# KiCad board AnalogFNN.kicad_pcb (continued)
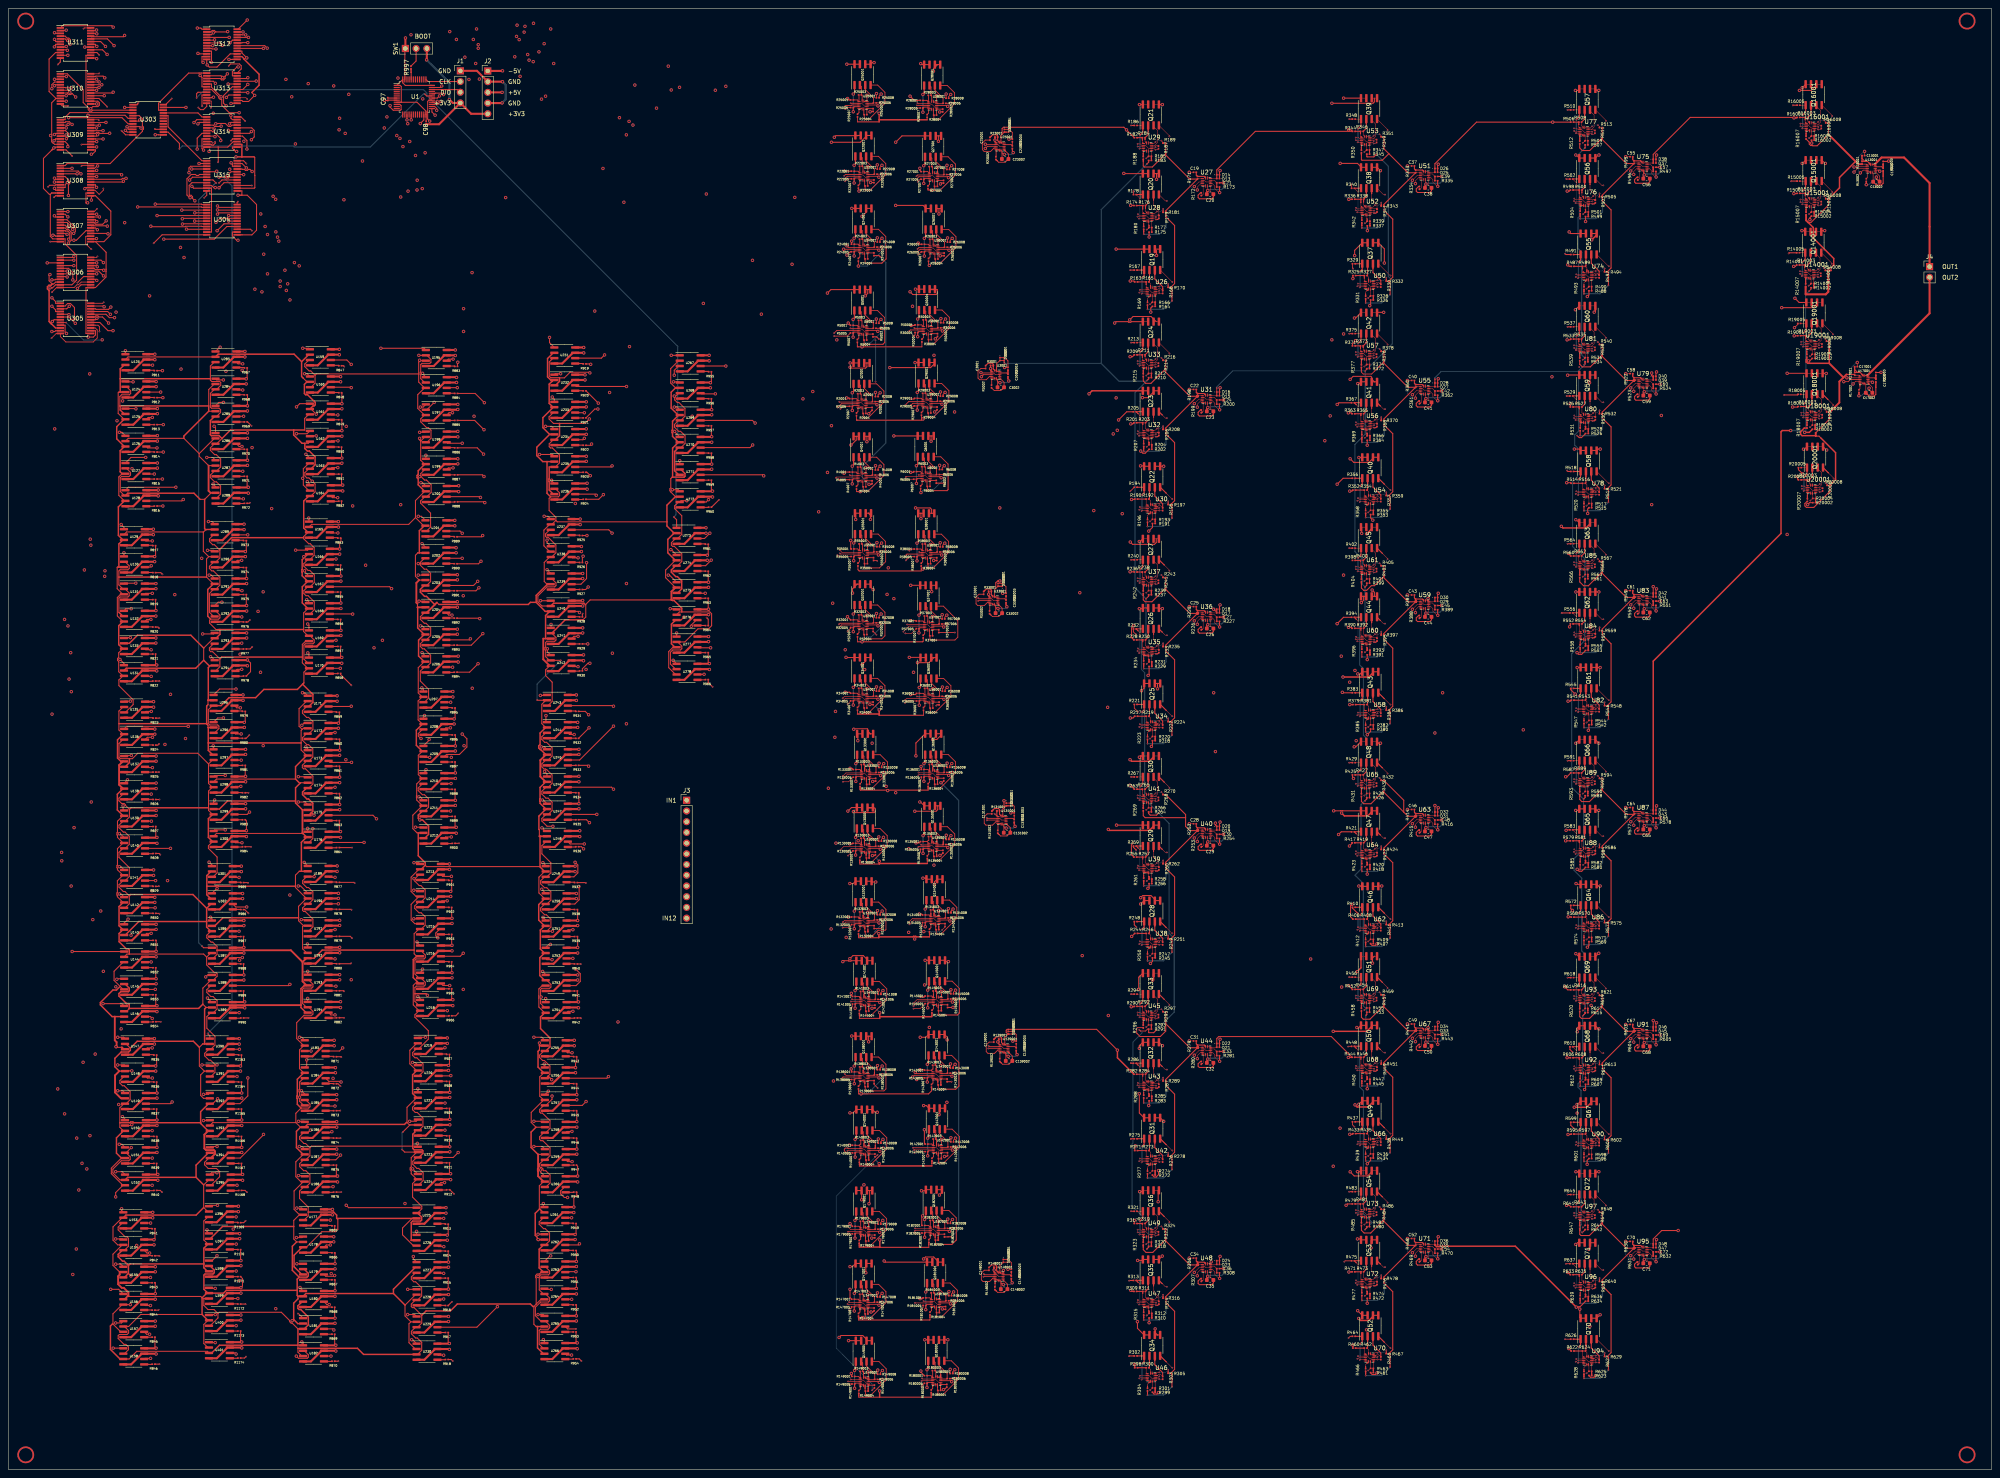
[diagram p0: board, top side]
## Routing (per net, layer and track width the routed paths; a pad name or vN(x,y) marks a point on that pad's centre or on a via; arc(x,y) is an arc through that point) (continued)
  Top w0.1: v2(320.26,280.35) 320.41,280.5 U50.4
  Top w0.25: 320.85,285.31 320.85,284.64 v2(320.36,284.15) ; R329.2 320.83,285.95
  Bottom w0.25: v2(320.26,280.35) 320.36,280.45 v2(320.36,284.15)
Net-(Q37B-G2): length 17.6
  Top w0.1: U50.7 322.84,279.87 R328.2 322.34,277.85 v2(322.26,277.85) ; v2(327.56,283.15) 327.49,283.15 Q37.4
  Top w0.25: 322.68,278.2 R328.2
  In1.Cu w0.1: v2(322.26,277.85) 327.46,277.85 327.96,278.35 327.96,282.75 v2(327.56,283.15)
Net-(Q37B-S2): length 9.1
  Top w0.1: U50.11 324.03,281.3 324.28,281.55 324.78,281.55 R330.2
  Top w0.25: 325.02,281.31 R330.2 325.26,281.99 323.39,283.86 323.39,284.92 ; 323.39,284.92 Q37.3 323.39,284.92
Net-(Q38A-G1): length 6.7
  Top w0.1: R338.2 321.18,299.88 U52.14
  Top w0.25: 321.82,302.88 321.82,301.89 R338.2 321.18,300.6 ; 321.82,302.88 321.82,302.88 Q38.2 ; 321.82,302.88 321.82,303.87 ; 321.41,299.65 U52.14
Net-(Q38A-S1): length 8.8
  Top w0.1: R340.2 319.86,302.97 v2(319.86,302.05) ; v2(319.66,298.15) U52.4
  Top w0.25: Q38.1 319,303.87
  Bottom w0.1: v2(319.86,302.05) 319.86,298.35 v2(319.66,298.15)
Net-(Q38B-G2): length 16.8
  Top w0.1: 321.96,296.13 321.96,297.37 ; v2(326.26,302.35) 325.89,302.35 Q38.4 ; v2(321.46,295.55) 321.54,295.55 R339.2
  Top w0.25: 321.96,296.64 322.04,296.56 R339.2 321.87,295.88 ; 321.96,297.37 U52.7
  In1.Cu w0.1: v2(321.46,295.55) 324.86,295.55 326.76,297.45 326.76,301.85 v2(326.26,302.35)
Net-(Q38B-S2): length 8.5
  Top w0.1: 324.36,298.93 324.36,299.99 323.09,301.25 Q38.3 ; 322.76,299 324.23,299
  Top w0.25: 323.09,302.56 Q38.3 ; 324.36,298.93 324.29,299 324.23,299 ; 322.76,299 U52.11
  Top w0.35: 324.36,298.93 R341.2
Net-(Q39A-G1): length 5.7
  Top w0.1: U53.14 321.08,316.48 R346.2
  Top w0.25: 321.82,319.18 321.82,319.18 Q39.2 ; 321.82,319.18 321.82,318.09 R346.2 ; 321.82,319.18 321.82,320.27
Net-(Q39A-S1): length 7.3
  Top w0.1: v2(319.76,314.75) U53.4 ; R348.2 320.53,320.25
  Top w0.25: v2(319.86,317.95) 320.55,318.64 320.55,319.46
  Bottom w0.25: v2(319.76,314.75) 319.86,314.85 v2(319.86,317.95)
Net-(Q39B-G2): length 15.3
  Top w0.1: v2(326.86,317.65) 326.86,317.78 Q39.4 ; v2(321.36,312.45) 321.44,312.45 R347.2 321.94,314.12 U53.7
  Top w0.25: 321.78,312.8 R347.2
  In1.Cu w0.1: v2(321.36,312.45) 324.56,312.45 326.86,314.75 v2(326.86,317.65)
Net-(Q39B-S2): length 6.9
  Top w0.1: 323.39,315.55 323.88,315.55 324.06,315.37 R349.2 ; 323.39,315.55 U53.11 ; 323.39,315.55 324.06,316.21 324.06,319.04 323.09,320
Net-(Q40A-G1): length 5.7
  Top w0.1: R354.2 322.36,231.9 U54.14
  Top w0.25: 322.12,235.11 322.12,233.76 ; 322.12,233.76 322.12,232.43 R354.2 ; 322.12,233.76 322.12,233.77 Q40.2
Net-(Q40A-S1): length 8.3
  Top w0.1: U54.4 320.41,229.63 v2(320.26,229.48)
  Top w0.25: R356.2 320.83,235.08 ; v2(320.36,233.28) 320.85,233.78 320.85,234.44
  Bottom w0.25: v2(320.36,233.28) 320.36,229.58 v2(320.26,229.48)
Net-(Q40B-G2): length 19.4
  Top w0.1: v2(322.26,226.98) 322.34,226.98 R355.2 322.84,229 322.8,229.04 ; 324.66,235.11 327.49,232.28 v2(327.56,232.28)
  Top w0.25: 322.8,229.04 U54.7 ; 326.07,233.69 Q40.4
  In1.Cu w0.1: v2(322.26,226.98) 327.46,226.98 327.96,227.48 327.96,231.88 v2(327.56,232.28)
Net-(Q40B-S2): length 9.3
  Top w0.1: R357.2 324.78,230.68 324.28,230.68 324.03,230.43 U54.11
  Top w0.25: 323.39,234.05 Q40.3 323.39,234.05 ; 323.39,234.05 323.39,232.99 325.26,231.12 R357.2 ; U54.11 323.98,230.43
Net-(Q41A-G1): length 5.8
  Top w0.1: R365.2 321.18,249.01 U56.14
  Top w0.25: 321.82,252.01 321.82,252.02 Q41.2 ; 321.82,252.01 321.82,253 ; 321.82,252.01 321.82,251.03 R365.2
Net-(Q41A-S1): length 9.5
  Top w0.1: R367.2 319.86,252.1 v2(319.86,251.18) ; v2(319.66,247.28) U56.4
  Top w0.25: 320.55,253 319,253 ; 319.42,252.54 R367.2
  Bottom w0.1: v2(319.66,247.28) 319.86,247.48 v2(319.86,251.18)
Net-(Q41B-G2): length 17.7
  Top w0.1: v2(321.46,244.68) 321.54,244.68 R366.2 ; v2(326.26,251.48) 325.89,251.48 324.36,253 ; 321.96,246.5 321.96,245.26
  Top w0.25: 321.96,246.5 U56.7 ; 325.12,252.24 Q41.4
  Top w0.35: 321.96,245.77 322.04,245.69 R366.2
  In1.Cu w0.1: v2(326.26,251.48) 326.76,250.98 326.76,246.58 324.86,244.68 v2(321.46,244.68)
Net-(Q41B-S2): length 8.6
  Top w0.1: 322.76,248.13 324.23,248.13 ; Q41.3 323.09,250.38 324.36,249.12 R368.2
  Top w0.25: Q41.3 323.09,251.69 323.09,251.69 ; 324.23,248.13 R368.2 ; 322.76,248.13 U56.11
Net-(Q42A-G1): length 6.3
  Top w0.1: U57.14 321.08,265.61 R373.2
  Top w0.25: Q42.2 321.82,268.31 321.82,268.31 ; 321.31,265.38 U57.14 ; 321.08,266.08 R373.2 321.82,267.22 321.82,268.31 ; 321.82,268.31 321.82,269.4
Net-(Q42A-S1): length 7.3
  Top w0.1: R375.2 320.53,269.38 ; v2(319.76,263.88) U57.4
  Top w0.25: 320.55,268.59 320.55,267.77 v2(319.86,267.08)
  Bottom w0.25: v2(319.76,263.88) 319.86,263.98 v2(319.86,267.08)
Net-(Q42B-G2): length 15.3
  Top w0.1: U57.7 321.94,263.25 R374.2 321.44,261.58 v2(321.36,261.58) ; v2(326.86,266.78) 326.86,266.91 Q42.4
  Top w0.25: 321.78,261.93 R374.2
  In1.Cu w0.1: v2(326.86,266.78) 326.86,263.88 324.56,261.58 v2(321.36,261.58)
Net-(Q42B-S2): length 6.9
  Top w0.1: 323.39,264.68 323.88,264.68 324.06,264.5 R376.2 ; 323.39,264.68 U57.11 ; 323.39,264.68 324.06,265.34 324.06,268.17 323.09,269.13
Net-(Q43A-G1): length 5.7
  Top w0.1: U58.14 322.36,181.03 R381.2
  Top w0.25: 322.12,182.9 322.12,182.9 Q43.2 ; 322.12,182.9 322.12,184.24 ; 322.12,182.9 322.12,181.56 R381.2
Net-(Q43A-S1): length 8.3
  Top w0.1: U58.4 320.41,178.76 v2(320.26,178.61)
  Top w0.25: R383.2 320.83,184.21 ; v2(320.36,182.41) 320.85,182.91 320.85,183.57
  Bottom w0.25: v2(320.36,182.41) 320.36,178.71 v2(320.26,178.61)
Net-(Q43B-G2): length 19.4
  Top w0.1: v2(322.26,176.11) 322.34,176.11 R382.2 322.84,178.13 322.8,178.17 ; 324.66,184.24 327.49,181.41 v2(327.56,181.41)
  Top w0.25: 326.07,182.82 Q43.4 ; 322.8,178.17 U58.7
  In1.Cu w0.1: v2(322.26,176.11) 327.46,176.11 327.96,176.61 327.96,181.01 v2(327.56,181.41)
Net-(Q43B-S2): length 9.3
  Top w0.1: R384.2 324.78,179.81 324.28,179.81 324.03,179.56 U58.11
  Top w0.25: 323.39,184.24 323.39,183.18 ; 323.39,183.18 Q43.3 ; 323.39,183.18 323.39,182.12 325.26,180.25 R384.2 ; U58.11 323.98,179.56
Net-(Q44A-G1): length 5.8
  Top w0.1: R392.2 321.18,198.14 U60.14
  Top w0.25: R392.2 321.82,200.16 321.82,201.15 ; 321.82,202.13 321.82,201.15 ; 321.82,201.15 321.82,201.15 Q44.2
Net-(Q44A-S1): length 9.5
  Top w0.1: R394.2 319.86,201.23 v2(319.86,200.31) ; v2(319.66,196.41) U60.4
  Top w0.25: 320.55,202.13 319,202.13 ; 319.42,201.67 R394.2
  Bottom w0.1: v2(319.66,196.41) 319.86,196.61 v2(319.86,200.31)
Net-(Q44B-G2): length 17.7
  Top w0.1: v2(326.26,200.61) 325.89,200.61 324.36,202.13 ; R393.2 321.54,193.81 v2(321.46,193.81) ; 321.96,194.39 321.96,195.63
  Top w0.25: 325.12,201.37 Q44.4 ; 321.96,195.63 U60.7
  Top w0.35: 321.96,194.9 322.04,194.82 R393.2
  In1.Cu w0.1: v2(326.26,200.61) 326.76,200.11 326.76,195.71 324.86,193.81 v2(321.46,193.81)
Net-(Q44B-S2): length 8.6
  Top w0.1: 322.76,197.26 324.23,197.26 ; R395.2 324.36,198.25 323.09,199.51 323.09,202.13
  Top w0.25: 322.76,197.26 U60.11 ; 323.09,200.82 Q44.3 ; 324.23,197.26 R395.2
Net-(Q45A-G1): length 5.7
  Top w0.1: U61.14 321.08,214.74 R400.2
  Top w0.25: 321.82,218.53 321.82,217.44 ; 321.82,217.44 321.82,217.45 Q45.2 ; 321.82,217.44 321.82,216.35 R400.2
Net-(Q45A-S1): length 7.3
  Top w0.1: R402.2 320.53,218.51 ; v2(319.76,213.01) U61.4
  Top w0.25: v2(319.86,216.21) 320.55,216.91 320.55,217.72
  Bottom w0.25: v2(319.86,216.21) 319.86,213.11 v2(319.76,213.01)
Net-(Q45B-G2): length 16.8
  Top w0.1: v2(321.36,210.71) 321.44,210.71 R401.2 321.94,212.38 321.9,212.42 ; 324.36,218.53 326.86,216.04 v2(326.86,215.91)
  Top w0.25: 325.61,217.29 Q45.4 ; 321.9,212.42 U61.7
  In1.Cu w0.1: v2(321.36,210.71) 324.56,210.71 326.86,213.01 v2(326.86,215.91)
Net-(Q45B-S2): length 6.9
  Top w0.1: U61.11 323.39,213.81 ; 323.39,213.81 324.06,214.47 324.06,217.3 323.09,218.26 ; 323.39,213.81 323.88,213.81 324.06,213.63 R403.2
Net-(Q46A-G1): length 5.7
  Top w0.1: R408.2 322.36,130.16 U62.14
  Top w0.25: R408.2 322.12,130.69 322.12,132.03 ; 322.12,132.03 322.12,132.03 Q46.2 ; 322.12,132.03 322.12,133.37
Net-(Q46A-S1): length 8.3
  Top w0.1: v2(320.26,127.74) 320.41,127.89 U62.4
  Top w0.25: R410.2 320.83,133.34 ; 320.85,132.7 320.85,132.03 v2(320.36,131.54)
  Bottom w0.25: v2(320.26,127.74) 320.36,127.84 v2(320.36,131.54)
Net-(Q46B-G2): length 19.4
  Top w0.1: v2(322.26,125.24) 322.34,125.24 R409.2 322.84,127.26 322.8,127.3 ; v2(327.56,130.54) 327.49,130.54 324.66,133.37
  Top w0.25: 322.8,127.3 U62.7 ; 326.07,131.95 Q46.4
  In1.Cu w0.1: v2(322.26,125.24) 327.46,125.24 327.96,125.74 327.96,130.14 v2(327.56,130.54)
Net-(Q46B-S2): length 9.3
  Top w0.1: R411.2 324.78,128.94 324.28,128.94 324.03,128.69 U62.11
  Top w0.25: 323.39,132.31 323.39,131.25 325.26,129.38 R411.2 ; 323.39,132.31 Q46.3 323.39,132.31 ; U62.11 323.98,128.69
Net-(Q47A-G1): length 5.8
  Top w0.1: R419.2 321.18,147.27 U64.14
  Top w0.25: 321.82,151.26 321.82,150.28 ; 321.82,150.28 321.82,149.28 R419.2 ; 321.82,150.28 321.82,150.28 Q47.2
Net-(Q47A-S1): length 9.5
  Top w0.1: v2(319.66,145.54) U64.4 ; R421.2 319.86,150.36 v2(319.86,149.44)
  Top w0.25: 320.55,151.26 319,151.26 ; 319.42,150.8 R421.2
  Bottom w0.1: v2(319.66,145.54) 319.86,145.74 v2(319.86,149.44)
Net-(Q47B-G2): length 17.7
  Top w0.1: 324.36,151.26 325.89,149.74 v2(326.26,149.74) ; 321.96,143.52 321.96,144.76 ; v2(321.46,142.94) 321.54,142.94 R420.2
  Top w0.25: 321.96,144.76 U64.7 ; 325.12,150.5 Q47.4
  Top w0.35: R420.2 322.04,143.95 321.96,144.03
  In1.Cu w0.1: v2(326.26,149.74) 326.76,149.24 326.76,144.84 324.86,142.94 v2(321.46,142.94)
Net-(Q47B-S2): length 8.6
  Top w0.1: 322.76,146.39 324.23,146.39 ; R422.2 324.36,147.38 323.09,148.64 Q47.3
  Top w0.25: 324.23,146.39 R422.2 ; 322.76,146.39 U64.11 ; 323.09,149.95 323.09,149.95 Q47.3
Net-(Q48A-G1): length 5.7
  Top w0.1: R427.2 321.08,163.87 U65.14
  Top w0.25: 321.82,167.66 321.82,166.57 ; 321.82,166.57 321.82,165.49 R427.2 ; 321.82,166.57 321.82,166.58 Q48.2
Net-(Q48A-S1): length 7.3
  Top w0.1: v2(319.76,162.14) U65.4 ; R429.2 320.53,167.64
  Top w0.25: v2(319.86,165.34) 320.55,166.03 320.55,166.85
  Bottom w0.25: v2(319.86,165.34) 319.86,162.24 v2(319.76,162.14)
Net-(Q48B-G2): length 16.8
  Top w0.1: 321.9,161.55 321.94,161.51 R428.2 321.44,159.84 v2(321.36,159.84) ; 324.36,167.66 326.86,165.17 v2(326.86,165.04)
  Top w0.25: 325.61,166.42 Q48.4 ; 321.9,161.55 U65.7
  In1.Cu w0.1: v2(326.86,165.04) 326.86,162.14 324.56,159.84 v2(321.36,159.84)
Net-(Q48B-S2): length 6.9
  Top w0.1: U65.11 323.39,162.94 ; 323.39,162.94 323.88,162.94 324.06,162.76 R430.2 ; 323.39,162.94 324.06,163.6 324.06,166.43 323.09,167.39
Net-(Q49A-G1): length 5.7
  Top w0.1: R435.2 322.36,79.29 U66.14
  Top w0.25: 322.12,82.5 322.12,81.15 ; 322.12,81.15 322.12,81.16 Q49.2 ; 322.12,81.15 322.12,79.81 R435.2
Net-(Q49A-S1): length 8.3
  Top w0.1: v2(320.26,76.87) 320.41,77.02 U66.4
  Top w0.25: v2(320.36,80.67) 320.85,81.17 320.85,81.83 ; R437.2 320.83,82.47
  Bottom w0.25: v2(320.26,76.87) 320.36,76.97 v2(320.36,80.67)
Net-(Q49B-G2): length 19.4
  Top w0.1: v2(322.26,74.37) 322.34,74.37 R436.2 322.84,76.39 322.8,76.43 ; 324.66,82.5 327.49,79.67 v2(327.56,79.67)
  Top w0.25: 322.8,76.43 U66.7 ; 326.07,81.08 Q49.4
  In1.Cu w0.1: v2(327.56,79.67) 327.96,79.27 327.96,74.87 327.46,74.37 v2(322.26,74.37)
Net-(Q49B-S2): length 9.3
  Top w0.1: R438.2 324.78,78.06 324.28,78.06 324.03,77.82 U66.11
  Top w0.25: 323.39,81.44 Q49.3 ; 323.39,81.44 323.39,80.38 325.26,78.51 R438.2 ; 323.39,81.44 323.39,82.5 ; U66.11 323.98,77.82
Net-(Q50A-G1): length 5.8
  Top w0.1: R446.2 321.18,96.4 U68.14
  Top w0.25: 321.82,99.4 321.82,99.41 Q50.2 ; 321.82,99.4 321.82,100.39 ; 321.82,99.4 321.82,98.42 R446.2
Net-(Q50A-S1): length 9.5
  Top w0.1: v2(319.66,94.67) U68.4 ; R448.2 319.86,99.49 v2(319.86,98.57)
  Top w0.25: 319.42,99.93 R448.2 ; 320.55,100.39 319,100.39
  Bottom w0.1: v2(319.86,98.57) 319.86,94.87 v2(319.66,94.67)
Net-(Q50B-G2): length 17.7
  Top w0.1: 321.96,93.89 321.96,92.65 ; R447.2 321.54,92.07 v2(321.46,92.07) ; v2(326.26,98.87) 325.89,98.87 324.36,100.39
  Top w0.25: 325.12,99.63 Q50.4 ; 321.96,93.89 U68.7
  Top w0.35: 321.96,93.16 322.04,93.08 R447.2
  In1.Cu w0.1: v2(321.46,92.07) 324.86,92.07 326.76,93.97 326.76,98.37 v2(326.26,98.87)
Net-(Q50B-S2): length 8.6
  Top w0.1: Q50.3 323.09,97.77 324.36,96.51 R449.2 ; 322.76,95.52 324.23,95.52
  Top w0.25: 324.23,95.52 R449.2 ; 322.76,95.52 U68.11 ; 323.09,99.08 Q50.3
Net-(Q51A-G1): length 5.7
  Top w0.1: U69.14 321.08,113 R454.2
  Top w0.25: 321.82,115.71 321.82,114.62 R454.2 ; 321.82,115.71 321.82,115.71 Q51.2 ; 321.82,115.71 321.82,116.79
Net-(Q51A-S1): length 7.3
  Top w0.1: v2(319.76,111.27) U69.4 ; R456.2 320.53,116.77
  Top w0.25: v2(319.86,114.47) 320.55,115.16 320.55,115.98
  Bottom w0.25: v2(319.76,111.27) 319.86,111.37 v2(319.86,114.47)
Net-(Q51B-G2): length 16.8
  Top w0.1: 324.36,116.79 326.86,114.3 v2(326.86,114.17) ; v2(321.36,108.97) 321.44,108.97 R455.2 321.94,110.64 321.9,110.68
  Top w0.25: 321.9,110.68 U69.7 ; 325.61,115.55 Q51.4
  In1.Cu w0.1: v2(321.36,108.97) 324.56,108.97 326.86,111.27 v2(326.86,114.17)
Net-(Q51B-S2): length 6.9
  Top w0.1: U69.11 323.39,112.07 ; R457.2 324.06,111.89 323.88,112.07 323.39,112.07 ; 323.39,112.07 324.06,112.73 324.06,115.56 323.09,116.52
Net-(Q52A-G1): length 5.7
  Top w0.1: R462.2 322.36,28.42 U70.14
  Top w0.25: 322.12,31.62 322.12,30.29 ; 322.12,30.29 322.12,30.29 Q52.2 ; 322.12,30.29 322.12,28.94 R462.2
Net-(Q52A-S1): length 8.3
  Top w0.1: v2(320.26,26) 320.41,26.15 U70.4
  Top w0.25: v2(320.36,29.8) 320.85,30.3 320.85,30.96 ; R464.2 320.83,31.6
  Bottom w0.25: v2(320.36,29.8) 320.36,26.1 v2(320.26,26)
Net-(Q52B-G2): length 19.4
  Top w0.1: v2(327.56,28.8) 327.49,28.8 324.66,31.62 ; v2(322.26,23.5) 322.34,23.5 R463.2 322.84,25.52 322.8,25.56
  Top w0.25: 326.07,30.21 Q52.4 ; 322.8,25.56 U70.7
  In1.Cu w0.1: v2(327.56,28.8) 327.96,28.4 327.96,24 327.46,23.5 v2(322.26,23.5)
Net-(Q52B-S2): length 9.3
  Top w0.1: U70.11 324.03,26.95 324.28,27.19 324.78,27.19 R465.2
  Top w0.25: 323.39,30.57 Q52.3 323.39,30.57 ; 323.39,30.57 323.39,29.51 325.26,27.64 R465.2 ; U70.11 323.98,26.95
Net-(Q53A-G1): length 5.8
  Top w0.1: U72.14 321.18,45.53 R473.2
  Top w0.25: Q53.2 321.82,48.54 321.82,48.54 ; 321.82,48.54 321.82,47.55 R473.2 ; 321.82,48.54 321.82,49.52
Net-(Q53A-S1): length 9.5
  Top w0.1: v2(319.66,43.8) U72.4 ; v2(319.86,47.7) 319.86,48.62 R475.2
  Top w0.25: 320.55,49.52 319,49.52 ; 319.42,49.06 R475.2
  Bottom w0.1: v2(319.66,43.8) 319.86,44 v2(319.86,47.7)
Net-(Q53B-G2): length 17.7
  Top w0.1: R474.2 321.54,41.2 v2(321.46,41.2) ; 321.96,43.02 321.96,41.78 ; v2(326.26,48) 325.89,48 324.36,49.52
  Top w0.25: 321.96,43.02 U72.7 ; 325.12,48.76 Q53.4
  Top w0.35: 321.96,42.29 322.04,42.21 R474.2
  In1.Cu w0.1: v2(326.26,48) 326.76,47.5 326.76,43.1 324.86,41.2 v2(321.46,41.2)
Net-(Q53B-S2): length 8.6
  Top w0.1: R476.2 324.36,45.64 323.09,46.9 Q53.3 ; 322.76,44.65 324.23,44.65
  Top w0.25: 323.09,48.21 323.09,48.21 Q53.3 ; 322.76,44.65 U72.11 ; 324.23,44.65 R476.2
Net-(Q54A-G1): length 5.7
  Top w0.1: U73.14 321.08,62.13 R481.2
  Top w0.25: 321.82,64.83 321.82,63.75 R481.2 ; 321.82,64.83 321.82,65.93 ; 321.82,64.83 321.82,64.84 Q54.2
Net-(Q54A-S1): length 7.3
  Top w0.1: v2(319.76,60.4) U73.4 ; R483.2 320.53,65.9
  Top w0.25: 320.55,65.11 320.55,64.3 v2(319.86,63.6)
  Bottom w0.25: v2(319.86,63.6) 319.86,60.5 v2(319.76,60.4)
Net-(Q54B-G2): length 16.8
  Top w0.1: v2(326.86,63.3) 326.86,63.43 324.36,65.93 ; 321.9,59.81 321.94,59.77 R482.2 321.44,58.1 v2(321.36,58.1)
  Top w0.25: 321.9,59.81 U73.7 ; 325.61,64.68 Q54.4
  In1.Cu w0.1: v2(321.36,58.1) 324.56,58.1 326.86,60.4 v2(326.86,63.3)
Net-(Q54B-S2): length 6.9
  Top w0.1: U73.11 323.39,61.2 ; 323.09,65.65 324.06,64.69 324.06,61.86 323.39,61.2 ; R484.2 324.06,61.02 323.88,61.2 323.39,61.2
Net-(Q55A-G1): length 4.3
  Top w0.1: U74.14 374.1,284.96 R489.2
  Top w0.25: 373.86,287.65 373.86,285.48 R489.2 ; 374.1,284.5 U74.14
Net-(Q55A-S1): length 8.3
  Top w0.1: v2(372,282.54) 372.15,282.69 U74.4
  Top w0.25: 372.59,287.5 372.59,286.83 v2(372.1,286.34) ; R491.2 372.57,288.14
  Bottom w0.25: v2(372.1,286.34) 372.1,282.64 v2(372,282.54)
Net-(Q55B-G2): length 17.6
  Top w0.1: v2(374,280.04) 374.08,280.04 R490.2 374.58,282.06 U74.7 ; Q55.4 379.23,285.34 v2(379.3,285.34)
  Top w0.25: 374.43,280.39 R490.2
  In1.Cu w0.1: v2(374,280.04) 379.2,280.04 379.7,280.54 379.7,284.94 v2(379.3,285.34)
Net-(Q55B-S2): length 9.1
  Top w0.1: U74.11 375.77,283.49 376.02,283.73 376.52,283.73 R492.2
  Top w0.25: 375.13,288.16 375.13,287.1 ; 375.13,287.1 375.13,286.05 377,284.18 R492.2 376.76,283.5 ; 375.13,287.1 375.13,287.1 Q55.3
Net-(Q56A-G1): length 6.7
  Top w0.1: U76.14 372.92,302.07 R500.2
  Top w0.25: 372.92,302.79 R500.2 373.56,304.08 373.56,305.07 ; 373.56,305.07 373.56,305.07 Q56.2 373.56,305.07 ; 373.15,301.84 U76.14
Net-(Q56A-S1): length 8.8
  Top w0.1: v2(371.4,300.34) U76.4 ; R502.2 371.6,305.16 v2(371.6,304.24)
  Top w0.25: 372.29,306.06 370.74,306.06
  Bottom w0.1: v2(371.6,304.24) 371.6,300.54 v2(371.4,300.34)
Net-(Q56B-G2): length 16.8
  Top w0.1: v2(378,304.54) 377.63,304.54 Q56.4 ; v2(373.2,297.74) 373.28,297.74 R501.2 ; 373.7,299.56 373.7,298.32
  Top w0.25: 373.7,299.56 373.7,299.56 U76.7 ; 373.61,298.07 R501.2 373.78,298.75 373.7,298.83
  In1.Cu w0.1: v2(373.2,297.74) 376.6,297.74 378.5,299.64 378.5,304.04 v2(378,304.54)
Net-(Q56B-S2): length 8.7
  Top w0.1: 374.5,301.19 375.97,301.19 ; 374.83,306.06 374.83,303.44 376.1,302.17 R503.2
  Top w0.25: Q56.3 374.83,304.75 374.83,304.75 ; 375.81,301.19 375.94,301.06 R503.2 ; 374.5,301.19 U76.11
Net-(Q57A-G1): length 5.7
  Top w0.1: R508.2 372.82,318.67 U77.14
  Top w0.25: 373.56,321.37 373.56,320.28 R508.2 ; 373.56,321.37 Q57.2 373.56,321.37 373.56,321.37
Net-(Q57A-S1): length 7.3
  Top w0.1: R510.2 372.27,322.44 ; v2(371.5,316.94) U77.4
  Top w0.25: v2(371.6,320.14) 372.29,320.83 372.29,321.65
  Bottom w0.25: v2(371.6,320.14) 371.6,317.04 v2(371.5,316.94)
Net-(Q57B-G2): length 15.3
  Top w0.1: v2(378.6,319.84) 378.6,319.97 Q57.4 ; U77.7 373.68,316.31 R509.2 373.18,314.64 v2(373.1,314.64)
  Top w0.25: 373.53,314.99 R509.2
  In1.Cu w0.1: v2(373.1,314.64) 376.3,314.64 378.6,316.94 v2(378.6,319.84)
Net-(Q57B-S2): length 6.9
  Top w0.1: 375.13,317.74 375.62,317.74 375.8,317.56 R511.2 ; 375.13,317.74 375.8,318.4 375.8,321.23 374.83,322.19 ; 375.13,317.74 U77.11
Net-(Q58A-G1): length 5.6
  Top w0.1: 373.76,233.85 374.1,233.51 U78.14
  Top w0.25: 373.86,235.43 Q58.2 ; 373.86,235.43 373.86,234.04 R516.2 ; 373.86,235.43 373.86,236.72
Net-(Q58A-S1): length 8.3
  Top w0.1: U78.4 372.15,231.24 v2(372,231.09)
  Top w0.25: R518.2 372.57,236.69 ; v2(372.1,234.89) 372.59,235.39 372.59,236.05
  Bottom w0.25: v2(372,231.09) 372.1,231.19 v2(372.1,234.89)
Net-(Q58B-G2): length 17.4
  Top w0.1: v2(374,228.59) 374.08,228.59 R517.2 374.58,230.61 U78.7 ; Q58.4 379.23,233.89 v2(379.3,233.89)
  In1.Cu w0.1: v2(374,228.59) 379.2,228.59 379.7,229.09 379.7,233.49 v2(379.3,233.89)
Net-(Q58B-S2): length 9.3
  Top w0.1: R519.2 376.52,232.29 376.02,232.29 375.77,232.04 U78.11
  Top w0.25: 375.13,235.66 375.13,234.6 377,232.74 R519.2 ; 375.13,235.66 375.13,235.66 Q58.3 ; 375.13,235.66 375.13,236.72 ; U78.11 375.72,232.04
Net-(Q59A-G1): length 5.8
  Top w0.1: U80.14 372.92,250.62 R527.2
  Top w0.25: R527.2 373.56,252.64 373.56,253.63 ; 373.56,253.63 373.56,253.63 Q59.2 ; 373.56,253.63 373.56,254.62
Net-(Q59A-S1): length 8.8
  Top w0.1: v2(371.6,252.79) 371.6,253.71 R529.2 ; v2(371.4,248.89) U80.4
  Top w0.25: 372.29,254.62 370.74,254.62
  Bottom w0.1: v2(371.6,252.79) 371.6,249.09 v2(371.4,248.89)
Net-(Q59B-G2): length 16.6
  Top w0.1: 373.7,248.12 373.7,246.87 ; Q59.4 377.63,253.09 v2(378,253.09) ; R528.2 373.28,246.29 v2(373.2,246.29)
  Top w0.25: U80.7 373.7,248.12 373.7,248.12
  Top w0.35: 373.7,247.38 373.78,247.3 R528.2
  In1.Cu w0.1: v2(373.2,246.29) 376.6,246.29 378.5,248.19 378.5,252.59 v2(378,253.09)
Net-(Q59B-S2): length 8.5
  Top w0.1: 376.1,249.68 376.1,250.73 374.83,252 374.83,254.62 ; 374.5,249.74 375.97,249.74
  Top w0.25: 376.1,249.68 376.03,249.74 375.97,249.74 ; 374.5,249.74 U80.11 ; 374.83,253.31 374.83,253.31 Q59.3
  Top w0.35: 376.1,249.68 R530.2
Net-(Q60A-G1): length 6.3
  Top w0.1: U81.14 372.82,267.22 R535.2
  Top w0.25: 373.56,269.93 Q60.2 373.56,269.93 373.56,269.93 ; 373.56,269.93 373.56,268.84 R535.2 372.82,267.69 ; 373.05,266.99 U81.14
Net-(Q60A-S1): length 7.3
  Top w0.1: v2(371.5,265.49) U81.4 ; R537.2 372.27,270.99
  Top w0.25: v2(371.6,268.69) 372.29,269.39 372.29,270.2
  Bottom w0.25: v2(371.6,268.69) 371.6,265.59 v2(371.5,265.49)
Net-(Q60B-G2): length 15.3
  Top w0.1: U81.7 373.68,264.86 R536.2 373.18,263.19 v2(373.1,263.19) ; v2(378.6,268.39) 378.6,268.52 Q60.4
  Top w0.25: 373.53,263.54 R536.2
  In1.Cu w0.1: v2(373.1,263.19) 376.3,263.19 378.6,265.49 v2(378.6,268.39)
Net-(Q60B-S2): length 6.9
  Top w0.1: 375.13,266.29 375.8,266.96 375.8,269.78 374.83,270.75 ; 375.13,266.29 U81.11 ; 375.13,266.29 375.62,266.29 375.8,266.11 R538.2
Net-(Q61A-G1): length 5.6
  Top w0.1: 373.76,182.41 374.1,182.07 U82.14
  Top w0.25: 373.86,183.99 Q61.2 ; 373.86,183.99 373.86,182.59 R543.2 ; 373.86,183.99 373.86,185.28
Net-(Q61A-S1): length 8.3
  Top w0.1: U82.4 372.15,179.8 v2(372,179.65)
  Top w0.25: 372.59,184.61 372.59,183.94 v2(372.1,183.45) ; R545.2 372.57,185.25
  Bottom w0.25: v2(372,179.65) 372.1,179.75 v2(372.1,183.45)
Net-(Q61B-G2): length 17.4
  Top w0.1: v2(374,177.15) 374.08,177.15 R544.2 374.58,179.17 U82.7 ; Q61.4 379.23,182.45 v2(379.3,182.45)
  In1.Cu w0.1: v2(379.3,182.45) 379.7,182.05 379.7,177.65 379.2,177.15 v2(374,177.15)
Net-(Q61B-S2): length 9.3
  Top w0.1: R546.2 376.52,180.84 376.02,180.84 375.77,180.6 U82.11
  Top w0.25: 375.13,184.22 375.13,184.22 Q61.3 ; 375.13,184.22 375.13,185.28 ; 375.13,184.22 375.13,183.16 377,181.29 R546.2 ; U82.11 375.72,180.6
Net-(Q62A-G1): length 5.8
  Top w0.1: R554.2 372.92,199.18 U84.14
  Top w0.25: 373.56,203.18 373.56,202.19 ; 373.56,202.19 373.56,201.19 R554.2 ; 373.56,202.19 373.56,202.19 Q62.2
Net-(Q62A-S1): length 8.8
  Top w0.1: v2(371.4,197.45) U84.4 ; R556.2 371.6,202.27 v2(371.6,201.35)
  Top w0.25: 372.29,203.18 370.74,203.18
  Bottom w0.1: v2(371.4,197.45) 371.6,197.65 v2(371.6,201.35)
Net-(Q62B-G2): length 16.6
  Top w0.1: 373.7,196.67 373.7,195.43 ; R555.2 373.28,194.85 v2(373.2,194.85) ; v2(378,201.65) 377.63,201.65 Q62.4
  Top w0.25: 373.7,196.67 373.7,196.68 U84.7
  Top w0.35: 373.7,195.94 373.78,195.86 R555.2
  In1.Cu w0.1: v2(378,201.65) 378.5,201.15 378.5,196.75 376.6,194.85 v2(373.2,194.85)
Net-(Q62B-S2): length 8.5
  Top w0.1: 374.5,198.3 375.97,198.3 ; 376.1,198.23 376.1,199.29 374.83,200.55 374.83,203.18
  Top w0.25: 374.83,201.86 374.83,201.86 Q62.3 ; 375.97,198.3 376.03,198.3 376.1,198.23 ; 374.5,198.3 U84.11
  Top w0.35: 376.1,198.23 R557.2
Net-(Q63A-G1): length 5.7
  Top w0.1: U85.14 372.82,215.78 R562.2
  Top w0.25: Q63.2 373.56,218.49 373.56,218.49 ; 373.56,219.57 373.56,218.49 ; 373.56,218.49 373.56,217.4 R562.2
Net-(Q63A-S1): length 7.3
  Top w0.1: v2(371.5,214.05) U85.4 ; R564.2 372.27,219.55
  Top w0.25: 372.29,218.76 372.29,217.94 v2(371.6,217.25)
  Bottom w0.25: v2(371.5,214.05) 371.6,214.15 v2(371.6,217.25)
Net-(Q63B-G2): length 15.1
  Top w0.1: v2(373.1,211.75) 373.18,211.75 R563.2 373.68,213.42 U85.7 ; Q63.4 378.6,217.08 v2(378.6,216.95)
  In1.Cu w0.1: v2(373.1,211.75) 376.3,211.75 378.6,214.05 v2(378.6,216.95)
Net-(Q63B-S2): length 6.9
  Top w0.1: U85.11 375.13,214.85 ; 374.83,219.3 375.8,218.34 375.8,215.51 375.13,214.85 ; 375.13,214.85 375.62,214.85 375.8,214.67 R565.2
Net-(Q64A-G1): length 5.6
  Top w0.1: U86.14 374.1,130.63 373.76,130.97
  Top w0.25: 373.86,133.83 373.86,132.54 ; 373.86,132.54 Q64.2 ; 373.86,132.54 373.86,131.15 R570.2
Net-(Q64A-S1): length 8.3
  Top w0.1: U86.4 372.15,128.36 v2(372,128.21)
  Top w0.25: 372.59,133.17 372.59,132.5 v2(372.1,132.01) ; R572.2 372.57,133.81
  Bottom w0.25: v2(372.1,132.01) 372.1,128.31 v2(372,128.21)
Net-(Q64B-G2): length 17.4
  Top w0.1: U86.7 374.58,127.73 R571.2 374.08,125.71 v2(374,125.71) ; v2(379.3,131.01) 379.23,131.01 Q64.4
  In1.Cu w0.1: v2(379.3,131.01) 379.7,130.61 379.7,126.21 379.2,125.71 v2(374,125.71)
Net-(Q64B-S2): length 9.3
  Top w0.1: U86.11 375.77,129.16 376.02,129.4 376.52,129.4 R573.2
  Top w0.25: R573.2 377,129.85 375.13,131.71 375.13,132.77 ; 375.13,132.77 375.13,132.77 Q64.3 ; 375.13,132.77 375.13,133.83 ; U86.11 375.72,129.16
Net-(Q65A-G1): length 5.8
  Top w0.1: R581.2 372.92,147.74 U88.14
  Top w0.25: Q65.2 373.56,150.74 373.56,150.74 ; 373.56,150.74 373.56,149.75 R581.2 ; 373.56,150.74 373.56,151.73
Net-(Q65A-S1): length 8.8
  Top w0.1: R583.2 371.6,150.83 v2(371.6,149.91) ; v2(371.4,146.01) U88.4
  Top w0.25: 372.29,151.73 370.74,151.73
  Bottom w0.1: v2(371.4,146.01) 371.6,146.21 v2(371.6,149.91)
Net-(Q65B-G2): length 16.6
  Top w0.1: v2(378,150.21) 377.63,150.21 Q65.4 ; R582.2 373.28,143.41 v2(373.2,143.41) ; 373.7,145.23 373.7,143.99
  Top w0.25: 373.7,145.23 373.7,145.23 U88.7
  Top w0.35: R582.2 373.78,144.42 373.7,144.5
  In1.Cu w0.1: v2(373.2,143.41) 376.6,143.41 378.5,145.31 378.5,149.71 v2(378,150.21)
